# KiCad board pcb.kicad_pcb (continued)
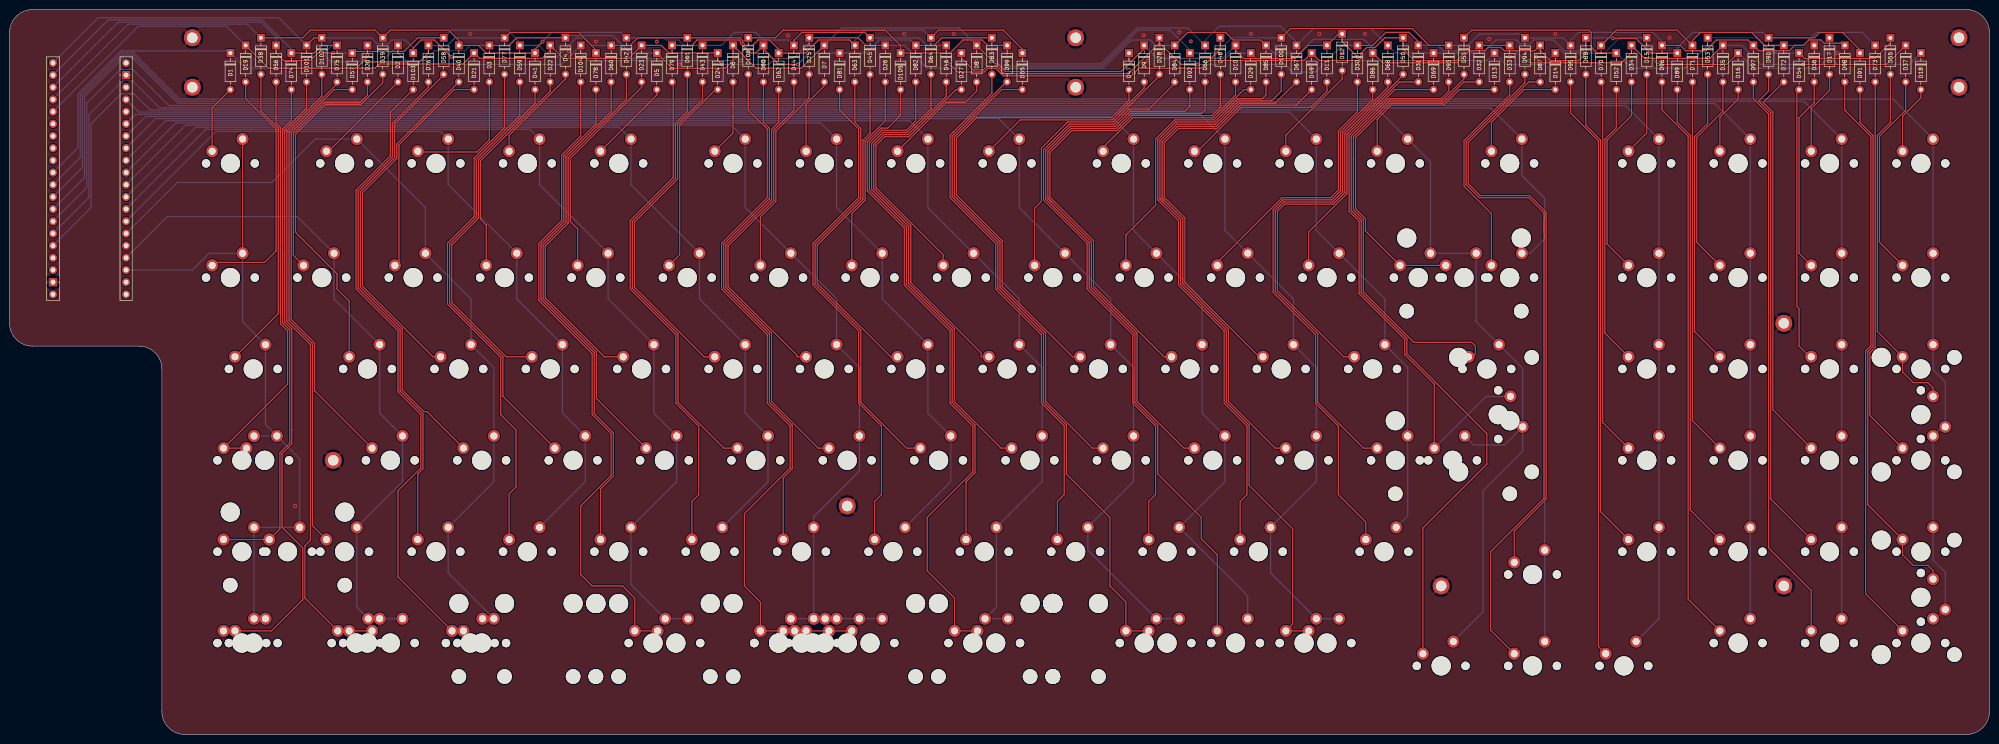
[diagram p0: board, top side]
## Routing (per net, layer and track width the routed paths; a pad name or vN(x,y) marks a point on that pad's centre or on a via; arc(x,y) is an arc through that point) (continued)
Net-(D88-Pad2): length 100.7
  Top w0.25: D88.2 328.61,127 331.68,123.93 331.68,46.46 SW94.1
Net-(D89-Pad2): length 97.5
  Top w0.25: D89.2 347.66,127.64 350.39,124.91 350.39,46.8 SW95.1
Net-(D90-Pad2): length 102.4
  Top w0.25: D90.2 366.71,134.14 364.65,132.08 367.16,129.57 367.16,49.08 SW96.1
Net-(D91-Pad2): length 111.1
  Top w0.25: SW79.1 401,34.15 399.91,35.24 396.88,35.24 394.65,37.47 SW97.1 387.39,47.9 387.39,79.78 388.49,80.88 388.49,124.91 385.76,127.64 D91.2
Net-(D92-Pad2): length 152.3
  Top w0.25: SW105.1 251.78,37.47 248.44,40.8 248.44,45.24 239.37,54.32 239.37,64.48 234.61,69.24 234.61,83.53 225.08,93.05 225.08,102.58 216.01,111.66 216.01,121.71 221.09,126.79 230.45,126.79 233.6,129.94 245.03,129.94 246.06,130.97 D92.2
Net-(D93-Pad2): length 151.3
  Top w0.25: SW107.1 294.64,43.02 307.97,56.36 307.97,62.71 291.31,79.38 291.31,82.55 281.78,92.07 281.78,107.16 279.72,109.22 279.72,120.64 279.72,124.77 287.5,132.56 298.45,132.56 300.04,134.14 D93.2
Net-(D94-Pad2): length 147.7
  Top w0.25: 319.88,104.78 319.88,107.16 ; 319.88,104.78 319.88,49.21 308.77,38.1 308.77,21.75 SW108.1 ; 319.88,104.78 319.88,108.74 316.71,111.92 306.39,111.92 303.66,114.64 303.66,123.64 315.91,135.89 D94.2
Net-(D95-Pad2): length 122.2
  Top w0.25: D95.2 325.44,129.54 331.23,123.74 331.23,18.33 SW109.1
Net-(D96-Pad2): length 119.5
  Top w0.25: SW110.1 349.94,28.2 349.94,124.72 344.49,130.18 D96.2
Net-(D97-Pad2): length 119.5
  Top w0.25: SW111.1 375.6,30 366.71,38.89 366.71,129.38 363.54,132.56 D97.2
Net-(D98-Pad2): length 120.4
  Top w0.25: SW112.1 386.94,29.3 386.94,79.97 388.04,81.06 388.04,124.72 382.59,130.18 D98.2
Net-(D99-Pad2): length 139.1
  Top w0.25: D99.2 207.8,136.05 196.51,124.75 196.51,112.1 206.03,102.58 206.03,93.05 215.56,83.53 215.56,69.24 220.32,64.48 220.32,54.32 229.39,45.24 229.39,30.96 232.73,27.62 SW104.1 SW119.1
Net-(D100-Pad2): length 152.9
  Top w0.25: SW106.1 SW120.1 267.49,23.02 267.49,42.86 258.42,51.94 258.42,64.48 253.66,69.24 253.66,84.32 244.13,93.85 244.13,107.34 240.43,111.05 ; D100.2 265.11,134.14 263.08,132.11 256.25,132.11 251.38,127.24 243.28,127.24 239.82,123.77 239.82,111.66 ; 240.43,111.05 239.82,111.66 ; 240.43,111.05 239.82,111.66
Net-(D101-Pad2): length 132.4
  Top w0.25: 58.84,63.61 58.84,60.59 56.81,58.55 56.81,43.21 61.12,38.89 61.12,28.1 54.61,21.59 SW114.1 SW99.1 ; 58.84,63.61 58.84,84.51 57.36,85.99 57.36,126.02 61.91,130.57 D101.2 ; 58.84,63.61 58.84,63.5
Net-(D102-Pad2): length 131.5
  Top w0.25: D102.2 65.09,133.11 57.81,125.83 57.81,86.18 62.71,81.28 62.71,40.48 61.57,39.34 61.57,28.44 SW98.1 SW113.1
Net-(D103-Pad2): length 132.4
  Top w0.25: SW115.1 SW100.1 80.96,32.86 80.96,50.8 85.73,55.56 85.73,66.68 80.96,71.44 80.96,84.14 72.23,92.87 72.23,113.51 79.38,120.65 79.38,129.7 D103.2
Net-(D104-Pad2): length 140.1
  Top w0.25: SW101.1 SW116.1 130.33,28.42 127.79,30.96 121.44,30.96 119.06,33.34 119.06,47.62 125.41,53.97 125.41,62.71 121.44,66.68 121.44,79.38 110.33,90.49 110.33,102.39 115.09,107.16 115.09,120.81 119.06,124.78 D104.2
Net-(D105-Pad2): length 136.8
  Top w0.25: D105.2 185.74,129.09 183.06,126.42 181.66,126.42 178.8,123.56 178.8,113.3 186.53,105.57 186.53,93.66 196.06,84.14 196.06,69.06 200.82,64.29 200.82,54.77 191.29,45.24 191.29,34.13 197.01,28.42 SW118.1 SW103.1
Net-(D106-Pad2): length 151.9
  Top w0.25: D106.2 153.99,130.18 157.96,126.21 157.96,111.92 148.43,102.39 148.43,92.87 157.96,83.34 157.96,69.06 162.72,64.29 162.72,55.56 153.19,46.04 153.19,30.96 156.53,27.62 SW124.1 SW123.1

## Copper pours and planes (outline as drawn; the poured copper is in the pictures)
GND on Top, Bottom: 417.51,-7.94 -3.17,-7.94 -3.17,158.75 417.51,158.75

## Text on the board
F.Mask: Designed by ItsFiremanSam | Jupiter [prototype]
